# Altium PCB 6_layers_Testboard.PcbDoc (part 3 of 3)
Units mil, origin at the board's own origin, x right, y up, seen from the top; angles counter-clockwise.
Board outline 5500 x 5000 mil, 6 copper layers (Top layer, Ground1, Inner Layer 1, Inner Layer 2, Ground2, Bottom Layer), stack 22.312 mil thick; 137 components, 96 nets, 1379 pads, 782 vias.
Unrouted connection lines stored in the file: 363.
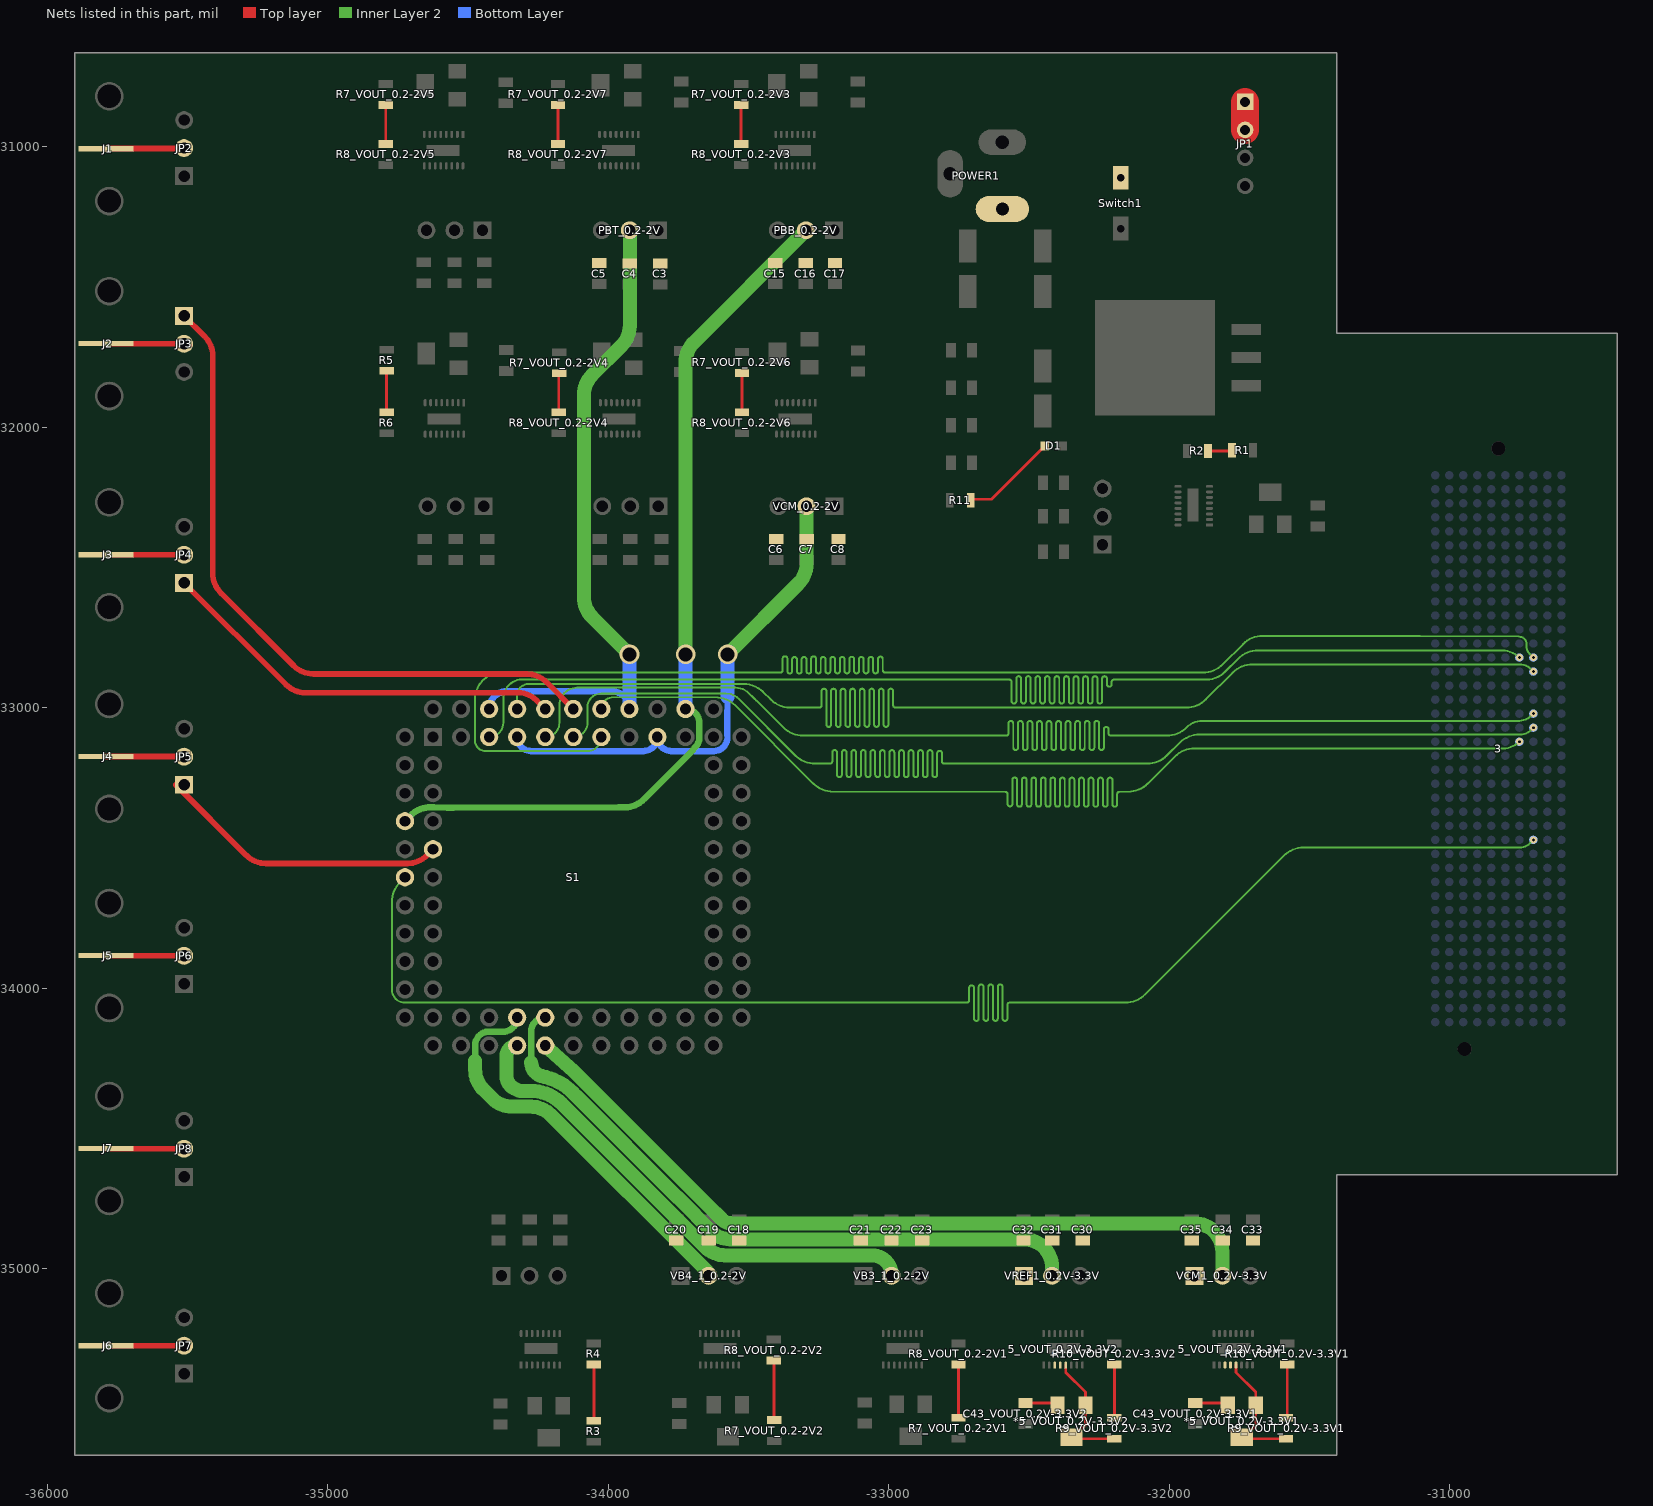
[diagram p7: the nets of this part, all layers, seen from the top]

## Via types
v1: diameter 25, hole 10, Top layer to Bottom Layer, 399 vias
v2: diameter 20, hole 10, Top layer to Bottom Layer, 314 vias
v3: diameter 16, hole 8, Top layer to Bottom Layer, 46 vias
v4: diameter 70, hole 50, Top layer to Bottom Layer, 15 vias
v5: diameter 80, hole 50, Top layer to Bottom Layer, 4 vias
v6: diameter 32, hole 16, Top layer to Bottom Layer, 2 vias
v7: diameter 25, hole 10, Top layer to Bottom Layer, tented both sides, 1 vias
v8: diameter 50, hole 35, Top layer to Bottom Layer, 1 vias

## Nets (pads, with @x,y where several pads share a name; then routed paths per layer and width w, separated by ;. In a path a pad name is that pad's centre, name@x,y a point inside that pad or via, vN(x,y) a via of type N, cw(c..) or ccw(c..) an arc to the next point about the centre after c; other vN are vias at no path point) (continued)
Net5_VOUT_0.2V-3.3V1_3: 5_VOUT_0.2V-3.3V1.3 5_VOUT_0.2V-3.3V1.4 *5_VOUT_0.2V-3.3V1.3 C43_VOUT_0.2V-3.3V1.2 VCM1_0.2V-3.3V.1 | length 118.9
  Top layer w10: C43_VOUT_0.2V-3.3V1.2@-31908,-35480 -31799,-35480 *5_VOUT_0.2V-3.3V1.3@-31792,-35487
Net5_VOUT_0.2V-3.3V1_5: 5_VOUT_0.2V-3.3V1.5 *5_VOUT_0.2V-3.3V1.1 *5_VOUT_0.2V-3.3V1.2 R9_VOUT_0.2V-3.3V1.2 | length 471.9
  Top layer w10: 5_VOUT_0.2V-3.3V1.5@-31762.31,-35344.05 -31762.23,-35344.13 -31762.23,-35370.28 -31692,-35440.5 *5_VOUT_0.2V-3.3V1.1@-31692,-35487 -31692,-35559.05 -31734.12,-35601.17 *5_VOUT_0.2V-3.3V1.2@-31742,-35601.17 -31736.34,-35606.83 R9_VOUT_0.2V-3.3V1.2@-31584,-35606.83
Net5_VOUT_0.2V-3.3V2_3: 5_VOUT_0.2V-3.3V2.3 5_VOUT_0.2V-3.3V2.4 *5_VOUT_0.2V-3.3V2.3 C43_VOUT_0.2V-3.3V2.2 VREF1_0.2V-3.3V.1 | length 116.9
  Top layer w10: C43_VOUT_0.2V-3.3V2.2@-32513,-35480 -32406,-35480 *5_VOUT_0.2V-3.3V2.3@-32399,-35487
Net5_VOUT_0.2V-3.3V2_5: 5_VOUT_0.2V-3.3V2.5 *5_VOUT_0.2V-3.3V2.1 *5_VOUT_0.2V-3.3V2.2 R9_VOUT_0.2V-3.3V2.2 | length 467
  Top layer w10: 5_VOUT_0.2V-3.3V2.5@-32369.39,-35344.05 -32369.32,-35344.13 -32369.32,-35370.19 -32299,-35440.5 *5_VOUT_0.2V-3.3V2.1@-32299,-35487 -32299,-35559.05 -32341.12,-35601.17 *5_VOUT_0.2V-3.3V2.2@-32349,-35601.17 -32343.34,-35606.84 R9_VOUT_0.2V-3.3V2.2@-32196,-35606.84
NetC1_1: 
NetD1_2: D1.2 R11.1 | length 342.8
  Top layer w10: R11.1@-32708.28,-32257 -32634.17,-32257 D1.2@-32444.17,-32067
NetJ1_1: J1.1 JP2.2 | length 279.6
  Top layer w20: J1.1@-35791.81,-31007.01 -35791.26,-31006.46 -35514.46,-31006.46 JP2.2@-35513,-31005
NetJ2_1: J2.1 JP3.2 | length 279.2
  Top layer w20: J2.1@-35791.81,-31702 -35791.31,-31702.5 -35513.5,-31702.5 JP3.2@-35513,-31703
NetJ3_1: J3.1 JP4.2 | length 278.8
  Top layer w20: J3.1@-35791.81,-32455 JP4.2@-35513,-32455
NetJ4_1: J4.1 JP5.2 | length 279.2
  Top layer w20: J4.1@-35791.81,-33174 -35791.31,-33174.5 -35513.5,-33174.5 JP5.2@-35513,-33175
NetJ5_1: J5.1 JP6.2 | length 279.2
  Top layer w20: J5.1@-35791.81,-33884 -35791.31,-33884.5 -35513.5,-33884.5 JP6.2@-35513,-33885
NetJ6_1: J6.1 JP7.2 | length 278.8
  Top layer w20: J6.1@-35791.81,-35275 JP7.2@-35513,-35275
NetJ7_1: J7.1 JP8.2 | length 279.2
  Top layer w20: J7.1@-35791.81,-34572 -35791.31,-34572.5 -35513.5,-34572.5 JP8.2@-35513,-34573
NetJP1_1: JP1.1 JP1.2 POWER1.1 Switch1.1 | length 100
  Top layer w100: JP1.2@-31730,-30940 JP1.1@-31730,-30840
NetR1_1: R1.1 R2.2 | length 87.7
  Top layer w10: R2.2@-31862.46,-32084.87 -31779.46,-32084.87 ccw(c-31779.46,-32081.87) R1.1@-31776.46,-32081.87
NetR3_1: R3.1 R4.2 | length 200.9
  Top layer w10: R3.1@-34052,-35543.1 R4.2@-34052,-35342.18
NetR5_1: R5.1 R6.2 | length 134.4
  Top layer w10: R6.2@-34791,-31947.24 -34791,-31812.8
NetR7_VOUT_0.2-2V1_1: R7_VOUT_0.2-2V1.1 R8_VOUT_0.2-2V1.2 | length 190
  Top layer w10: R7_VOUT_0.2-2V1.1@-32752,-35532.03 R8_VOUT_0.2-2V1.2@-32752,-35342
NetR7_VOUT_0.2-2V2_1: R7_VOUT_0.2-2V2.1 R8_VOUT_0.2-2V2.2 | length 215.5
  Top layer w10: R8_VOUT_0.2-2V2.2@-33410,-35328 -33410,-35532.2 R7_VOUT_0.2-2V2.1@-33402,-35540.2
NetR7_VOUT_0.2-2V3_1: R7_VOUT_0.2-2V3.1 R8_VOUT_0.2-2V3.2 | length 139.3
  Top layer w10: R8_VOUT_0.2-2V3.2@-33527,-30990.38 R7_VOUT_0.2-2V3.1@-33527,-30851.04
NetR7_VOUT_0.2-2V4_1: R7_VOUT_0.2-2V4.1 R8_VOUT_0.2-2V4.2 | length 134.4
  Top layer w10: R8_VOUT_0.2-2V4.2@-34177,-31947.24 R7_VOUT_0.2-2V4.1@-34177,-31812.8
NetR7_VOUT_0.2-2V5_1: R7_VOUT_0.2-2V5.1 R8_VOUT_0.2-2V5.2 | length 139.3
  Top layer w10: R8_VOUT_0.2-2V5.2@-34794,-30990.38 R7_VOUT_0.2-2V5.1@-34794,-30851.04
NetR7_VOUT_0.2-2V6_1: R7_VOUT_0.2-2V6.1 R8_VOUT_0.2-2V6.2 | length 134.4
  Top layer w10: R8_VOUT_0.2-2V6.2@-33524,-31947.24 R7_VOUT_0.2-2V6.1@-33524,-31812.8
NetR7_VOUT_0.2-2V7_1: R7_VOUT_0.2-2V7.1 R8_VOUT_0.2-2V7.2 | length 139.3
  Top layer w10: R8_VOUT_0.2-2V7.2@-34180,-30990.38 R7_VOUT_0.2-2V7.1@-34180,-30851.04
NetR9_VOUT_0.2V-3.3V1_1: R9_VOUT_0.2V-3.3V1.1 R10_VOUT_0.2V-3.3V1.2 | length 192.3
  Top layer w10: R9_VOUT_0.2V-3.3V1.1@-31584,-35532.03 ccw(c-31584,-35528.03) -31580,-35528.03 R10_VOUT_0.2V-3.3V1.2@-31580,-35342
NetR9_VOUT_0.2V-3.3V2_1: R9_VOUT_0.2V-3.3V2.1 R10_VOUT_0.2V-3.3V2.2 | length 190
  Top layer w10: R9_VOUT_0.2V-3.3V2.1@-32196,-35532.03 R10_VOUT_0.2V-3.3V2.2@-32196,-35342
PBB0.2-2V: C15.2 C16.1 C17.2 PBB_0.2-2V.2 S1.35 S1.60 | length 3185.7
  Inner Layer 2 w23: S1.60@-34725.44,-33405 -34704.77,-33384.33 cw(c-34634.06,-33455.05) -34661.15,-33358.78 cw(c-34634.06,-33455.05) -34634.06,-33355.05 -34627.95,-33355.05 ccw(c-34628.02,-33332.05) -34627.26,-33355.03 cw(c-34625.44,-33405) -34623.37,-33355.04 ; S1.35@-33725.44,-33005 cw(c-33725.44,-33054.96) -33675.48,-33054.96 -33675.48,-33087.36 cw(c-33775.48,-33087.36) -33675.8,-33095.35 ccw(c-33652.87,-33097.11) -33675.74,-33099.53 cw(c-33725.44,-33105) -33675.47,-33103.25 cw(c-33725.44,-33105) -33679.2,-33124.04 cw(c-33725.44,-33105) -33690.16,-33140.43 ccw(c-33673.87,-33156.67) -33692.83,-33143.65 cw(c-33775.48,-33087.36) -33704.77,-33158.07 -33873.48,-33326.78 cw(c-33944.19,-33256.07) -33921.33,-33353.42 cw(c-33944.19,-33256.07) -33941.4,-33356.03 cw(c-33944.19,-33256.07) -33944.19,-33356.07 -33963,-33356.07 -34553.98,-33357.14 -34554.28,-33357.14 -34574.35,-33357.14 -34623.3,-33355.05 ; -34623.37,-33355.04 cw(c-34625.44,-33405) -34623.3,-33355.05 ; -34623.37,-33355.04 -34623.3,-33355.05
  Inner Layer 2 w50: v4(-33725,-32810) -33725,-31768.42 cw(c-33625,-31768.42) -33695.71,-31697.71 PBB_0.2-2V.2@-33296,-31298
  Bottom Layer w50: S1.35@-33725.44,-33005 v4@-33725.44,-32810.44
PBT0.2-2V: C3.2 C4.1 C5.2 PBT_0.2-2V.2 S1.39 S1.49 | length 2403.6
  Top layer w10: C3.2@-33816.94,-31415.2 cw(c-33816.94,-31417.94) C3.2@-33815,-31416
  Inner Layer 2 w50: v4(-33925,-32810) -34057.99,-32677.01 cw(c-33987.28,-32606.3) -34087.28,-32606.3 -34087.28,-31885.14 cw(c-33987.28,-31885.14) -34057.99,-31814.43 -33953.29,-31709.73 ccw(c-34024,-31639.02) -33924,-31639.02 PBT_0.2-2V.2@-33924,-31298
  Bottom Layer w23: S1.49@-34425.44,-33005 cw(c-34361.96,-33005) -34361.96,-32941.52 -34309,-32941.52 -33998.44,-32941.52 -33988.92,-32941.52 cw(c-33988.92,-33005) S1.39@-33925.44,-33005
  Bottom Layer w50: S1.39@-33925.44,-33005 v4@-33925.44,-32810
TIA_CIN0: 3.C14 S1.42 | length 5707.4
  Inner Layer 2 w7: S1.42@-34025.44,-33105 cw(c-34075.44,-33105) -34075.44,-33155 -34438.41,-33155 cw(c-34438.41,-33117.41) -34462.69,-33146.1 cw(c-34438.41,-33117.41) -34476,-33117.41 -34476,-32971 cw(c-34380,-32971) -34380,-32875 -33391,-32875 -33387.5,-32875 ccw(c-33387.5,-32866.5) -33379,-32866.5 -33379,-32825.47 cw(c-33370.5,-32825.47) -33362,-32825.47 -33362,-32869.7 ccw(c-33353.5,-32869.7) -33345,-32869.7 -33345,-32828 cw(c-33336.5,-32828) -33328,-32828 -33328,-32869.7 ccw(c-33319.5,-32869.7) -33311,-32869.7 -33311,-32828 cw(c-33302.5,-32828) -33294,-32828 -33294,-32869.7 ccw(c-33285.5,-32869.7) -33277,-32869.7 -33277,-32825.47 cw(c-33268.5,-32825.47) -33260,-32825.47 -33260,-32869.7 ccw(c-33251.5,-32869.7) -33243,-32869.7 -33243,-32828 cw(c-33234.5,-32828) -33226,-32828 -33226,-32869.7 ccw(c-33217.5,-32869.7) -33209,-32869.7 -33209,-32828 cw(c-33200.5,-32828) -33192,-32828 -33192,-32869.7 ccw(c-33183.5,-32869.7) -33175,-32869.7 -33175,-32828 cw(c-33166.5,-32828) -33158,-32828 -33158,-32869.7 ccw(c-33149.5,-32869.7) -33141,-32869.7 -33141,-32827.08 cw(c-33132.5,-32827.08) -33124,-32827.08 -33124,-32869.7 ccw(c-33115.5,-32869.7) -33107,-32869.7 -33107,-32828 cw(c-33098.5,-32828) -33090,-32828 -33090,-32869.7 ccw(c-33081.5,-32869.7) -33073,-32869.7 -33073,-32828 cw(c-33064.5,-32828) -33056,-32828 -33056,-32869.7 ccw(c-33047.5,-32869.7) -33039,-32869.7 -33039,-32826.69 cw(c-33030.5,-32826.69) -33022,-32826.69 -33022,-32866.5 ccw(c-33013.5,-32866.5) -33013.5,-32875 -32803.81,-32875 -31880.42,-32875 ccw(c-31880.42,-32775) -31809.71,-32845.71 -31737.29,-32773.29 cw(c-31666.58,-32844) -31705.77,-32752 cw(c-31666.58,-32844) -31666.58,-32744 -31107,-32744 -30753.08,-32747 cw(c-30752.95,-32754) -30752.94,-32747 cw(c-30753,-32773) -30727,-32773 -30727,-32780 ccw(c-30687.14,-32780) -30715.33,-32808.18 ; -30715.32,-32808.19 v1(-30702,-32821.51)
TIA_CIN1: 3.C15 S1.47 | length 5706.8
  Inner Layer 2 w7: S1.47@-34325.44,-33005 -34325.44,-32956.26 cw(c-34285.18,-32956.26) -34285.18,-32916 -33517.98,-32916 cw(c-33517.98,-33016) -33468.01,-32929.38 cw(c-33517.98,-33016) -33461.3,-32933.61 cw(c-33517.98,-33016) -33451.52,-32941.28 cw(c-33517.98,-33016) -33447.27,-32945.29 -33421.85,-32970.71 ccw(c-33351.14,-32900) -33353.02,-32999.98 -33252,-32999.98 -33248.5,-32999.98 ccw(c-33248.5,-32991.48) -33240,-32991.48 -33240,-32941.15 cw(c-33231.5,-32941.15) -33223,-32941.15 -33223,-33060.17 ccw(c-33214.5,-33060.17) -33206,-33060.17 -33206,-32941.15 cw(c-33197.5,-32941.15) -33189,-32941.15 -33189,-33060.17 ccw(c-33180.5,-33060.17) -33172,-33060.17 -33172,-32941.15 cw(c-33163.5,-32941.15) -33155,-32941.15 -33155,-33060.17 ccw(c-33146.5,-33060.17) -33138,-33060.17 -33138,-32941.15 cw(c-33129.5,-32941.15) -33121,-32941.15 -33121,-33060.17 ccw(c-33112.5,-33060.17) -33104,-33060.17 -33104,-32941.15 cw(c-33095.5,-32941.15) -33087,-32941.15 -33087,-33060.17 ccw(c-33078.5,-33060.17) -33070,-33060.17 -33070,-32941.15 cw(c-33061.5,-32941.15) -33053,-32941.15 -33053,-33060.17 ccw(c-33044.5,-33060.17) -33036,-33060.17 -33036,-32941.15 cw(c-33027.5,-32941.15) -33019,-32941.15 -33019,-33060.17 ccw(c-33010.5,-33060.17) -33002,-33060.17 -33002,-32941.15 cw(c-32993.5,-32941.15) -32985,-32941.15 -32985,-32991.48 ccw(c-32976.5,-32991.48) -32976.5,-32999.98 -32838,-32999.98 -31940.4,-32999.98 ccw(c-31940.4,-32899.98) -31869.69,-32970.69 -31774.29,-32875.29 cw(c-31703.58,-32946) -31703.58,-32846 -30751,-32846 cw(c-30751,-32902.71) -30710.9,-32862.61 v1(-30702,-32871.51)
TIA_CIN2: 3.D20 S1.41 | length 5707.7
  Inner Layer 2 w7: S1.41@-34025.44,-33005 cw(c-33983.44,-33005) -33983.44,-32963 -33618.42,-32963 cw(c-33618.42,-33063) -33547.71,-32992.29 -33269.29,-33270.71 ccw(c-33198.58,-33200) -33198.58,-33300 -32659.39,-33300 -32585.5,-33300 cw(c-32585.5,-33308.5) -32577,-33308.5 -32577,-33343.6 ccw(c-32568.5,-33343.6) -32560,-33343.6 -32560,-33257.97 cw(c-32551.5,-33257.97) -32543,-33257.97 -32543,-33344.99 ccw(c-32534.5,-33344.99) -32526,-33344.99 -32526,-33257.97 cw(c-32517.5,-33257.97) -32509,-33257.97 -32509,-33344.99 ccw(c-32500.5,-33344.99) -32492,-33344.99 -32492,-33257.97 cw(c-32483.5,-33257.97) -32475,-33257.97 -32475,-33344.99 ccw(c-32466.5,-33344.99) -32458,-33344.99 -32458,-33257.97 cw(c-32449.5,-33257.97) -32441,-33257.97 -32441,-33344.99 ccw(c-32432.5,-33344.99) -32424,-33344.99 -32424,-33257.97 cw(c-32415.5,-33257.97) -32407,-33257.97 -32407,-33344.99 ccw(c-32398.5,-33344.99) -32390,-33344.99 -32390,-33257.97 cw(c-32381.5,-33257.97) -32373,-33257.97 -32373,-33344.99 ccw(c-32364.5,-33344.99) -32356,-33344.99 -32356,-33257.97 cw(c-32347.5,-33257.97) -32339,-33257.97 -32339,-33344.99 ccw(c-32330.5,-33344.99) -32322,-33344.99 -32322,-33257.97 cw(c-32313.5,-33257.97) -32305,-33257.97 -32305,-33344.99 ccw(c-32296.5,-33344.99) -32288,-33344.99 -32288,-33257.97 cw(c-32279.5,-33257.97) -32271,-33257.97 -32271,-33344.99 ccw(c-32262.5,-33344.99) -32254,-33344.99 -32254,-33257.97 cw(c-32245.5,-33257.97) -32237,-33257.97 -32237,-33344.99 ccw(c-32228.5,-33344.99) -32220,-33344.99 -32220,-33257.97 cw(c-32211.5,-33257.97) -32203,-33257.97 -32203,-33344.99 ccw(c-32194.5,-33344.99) -32186,-33344.99 -32186,-33308.5 cw(c-32177.5,-33308.5) -32177.5,-33300 -32174,-33300 -32147.42,-33300 ccw(c-32147.42,-33200) -32076.71,-33270.71 -31980.79,-33174.79 cw(c-31910.08,-33245.5) -31910.08,-33145.5 -30809.91,-33145.5 ccw(c-30809.91,-33063.6) v1(-30752,-33121.51)
TIA_CIN3: 3.C18 S1.46 | length 5707.4
  Inner Layer 2 w7: S1.46@-34225.44,-33105 ccw(c-34225.44,-33054.56) -34175,-33054.56 -34175,-32992 cw(c-34112,-32992) -34112,-32929 -33547,-32929 cw(c-33547,-32996.6) -33499.22,-32948.78 -33482.29,-32965.71 ccw(c-33411.58,-32895) -33473.11,-32973.83 -33376.23,-33070.71 ccw(c-33305.52,-33000) -33305.52,-33100 -32585.7,-33100 -32582.2,-33100 ccw(c-32582.2,-33091.5) -32573.7,-33091.5 -32573.7,-33056.14 cw(c-32565.2,-33056.14) -32556.7,-33056.14 -32556.7,-33142.61 ccw(c-32548.2,-33142.61) -32539.7,-33142.61 -32539.7,-33056.14 cw(c-32531.2,-33056.14) -32522.7,-33056.14 -32522.7,-33142.61 ccw(c-32514.2,-33142.61) -32505.7,-33142.61 -32505.7,-33056.14 cw(c-32497.2,-33056.14) -32488.7,-33056.14 -32488.7,-33142.61 ccw(c-32480.2,-33142.61) -32471.7,-33142.61 -32471.7,-33056.14 cw(c-32463.2,-33056.14) -32454.7,-33056.14 -32454.7,-33142.61 ccw(c-32446.2,-33142.61) -32437.7,-33142.61 -32437.7,-33056.14 cw(c-32429.2,-33056.14) -32420.7,-33056.14 -32420.7,-33142.61 ccw(c-32412.2,-33142.61) -32403.7,-33142.61 -32403.7,-33056.14 cw(c-32395.2,-33056.14) -32386.7,-33056.14 -32386.7,-33142.61 ccw(c-32378.2,-33142.61) -32369.7,-33142.61 -32369.7,-33056.14 cw(c-32361.2,-33056.14) -32352.7,-33056.14 -32352.7,-33142.61 ccw(c-32344.2,-33142.61) -32335.7,-33142.61 -32335.7,-33056.14 cw(c-32327.2,-33056.14) -32318.7,-33056.14 -32318.7,-33142.61 ccw(c-32310.2,-33142.61) -32301.7,-33142.61 -32301.7,-33056.14 cw(c-32293.2,-33056.14) -32284.7,-33056.14 -32284.7,-33142.61 ccw(c-32276.2,-33142.61) -32267.7,-33142.61 -32267.7,-33056.14 cw(c-32259.2,-33056.14) -32250.7,-33056.14 -32250.7,-33142.61 ccw(c-32242.2,-33142.61) -32233.7,-33142.61 -32233.7,-33077.46 cw(c-32225.2,-33077.46) -32216.7,-33077.46 -32216.7,-33091.5 ccw(c-32208.2,-33091.5) -32208.2,-33100 -32027.16,-33100 -32009.42,-33100 ccw(c-32009.42,-33000) -31938.71,-33070.71 cw(c-31881.47,-33127.95) -31881.47,-33047 -30752,-33047 ccw(c-30752,-32987.82) -30710.16,-33029.67 v1(-30702,-33021.51)
TIA_CIN4: 3.D14 S1.50 | length 5707.4
  Inner Layer 2 w7: S1.50@-34425.44,-33105 ccw(c-34425.44,-33054.56) -34375,-33054.56 -34375,-32967 cw(c-34308,-32967) -34308,-32900 -32591.66,-32900 -32571.16,-32900 cw(c-32571.16,-32908.5) -32562.66,-32908.5 -32562.66,-32976.85 ccw(c-32554.16,-32976.85) -32545.66,-32976.85 -32545.66,-32896.5 cw(c-32537.16,-32896.5) -32528.66,-32896.5 -32528.66,-32976.85 ccw(c-32520.16,-32976.85) -32511.66,-32976.85 -32511.66,-32896.5 cw(c-32503.16,-32896.5) -32494.66,-32896.5 -32494.66,-32976.85 ccw(c-32486.16,-32976.85) -32477.66,-32976.85 -32477.66,-32896.5 cw(c-32469.16,-32896.5) -32460.66,-32896.5 -32460.66,-32976.85 ccw(c-32452.16,-32976.85) -32443.66,-32976.85 -32443.66,-32896.5 cw(c-32435.16,-32896.5) -32426.66,-32896.5 -32426.66,-32976.85 ccw(c-32418.16,-32976.85) -32409.66,-32976.85 -32409.66,-32896.5 cw(c-32401.16,-32896.5) -32392.66,-32896.5 -32392.66,-32976.85 ccw(c-32384.16,-32976.85) -32375.66,-32976.85 -32375.66,-32896.5 cw(c-32367.16,-32896.5) -32358.66,-32896.5 -32358.66,-32976.85 ccw(c-32350.16,-32976.85) -32341.66,-32976.85 -32341.66,-32896.5 cw(c-32333.16,-32896.5) -32324.66,-32896.5 -32324.66,-32976.85 ccw(c-32316.16,-32976.85) -32307.66,-32976.85 -32307.66,-32896.5 cw(c-32299.16,-32896.5) -32290.66,-32896.5 -32290.66,-32976.85 ccw(c-32282.16,-32976.85) -32273.66,-32976.85 -32273.66,-32896.5 cw(c-32265.16,-32896.5) -32256.66,-32896.5 -32256.66,-32976.85 ccw(c-32248.16,-32976.85) -32239.66,-32976.85 -32239.66,-32896.5 cw(c-32231.16,-32896.5) -32222.66,-32896.5 -32222.66,-32917.15 ccw(c-32214.16,-32917.15) -32205.66,-32917.15 -32205.66,-32908.5 cw(c-32197.16,-32908.5) -32197.16,-32900 -32118.82,-32900 -31867.18,-32900 ccw(c-31867.18,-32807.82) -31802,-32873 -31754.29,-32825.29 cw(c-31683.58,-32896) -31683.58,-32796 -30813.59,-32796 cw(c-30813.59,-32883.1) v1(-30752,-32821.51)
TIA_CIN5: 3.C19 S1.44 | length 5737.3
  Inner Layer 2 w7: S1.44@-34104.29,-33083.85 S1.44@-34125.44,-33105 ccw(c-34125.44,-33054.56) -34075,-33054.56 -34075,-32998.62 cw(c-34026.38,-32998.62) -34026.38,-32950 -33580,-32950 cw(c-33580,-33012.77) -33535.64,-32968.36 ; -33535.62,-32968.38 -33333.29,-33170.71 ccw(c-33262.58,-33100) -33262.58,-33200 -33213.83,-33200 -33210.33,-33200 ccw(c-33210.33,-33191.5) -33201.83,-33191.5 -33201.83,-33160.11 cw(c-33193.33,-33160.11) -33184.83,-33160.11 -33184.83,-33239.29 ccw(c-33176.33,-33239.29) -33167.83,-33239.29 -33167.83,-33160.11 cw(c-33159.33,-33160.11) -33150.83,-33160.11 -33150.83,-33239.29 ccw(c-33142.33,-33239.29) -33133.83,-33239.29 -33133.83,-33160.11 cw(c-33125.33,-33160.11) -33116.83,-33160.11 -33116.83,-33239.29 ccw(c-33108.33,-33239.29) -33099.83,-33239.29 -33099.83,-33160.11 cw(c-33091.33,-33160.11) -33082.83,-33160.11 -33082.83,-33239.29 ccw(c-33074.33,-33239.29) -33065.83,-33239.29 -33065.83,-33160.11 cw(c-33057.33,-33160.11) -33048.83,-33160.11 -33048.83,-33239.29 ccw(c-33040.33,-33239.29) -33031.83,-33239.29 -33031.83,-33160.11 cw(c-33023.33,-33160.11) -33014.83,-33160.11 -33014.83,-33239.29 ccw(c-33006.33,-33239.29) -32997.83,-33239.29 -32997.83,-33160.11 cw(c-32989.33,-33160.11) -32980.83,-33160.11 -32980.83,-33239.29 ccw(c-32972.33,-33239.29) -32963.83,-33239.29 -32963.83,-33160.11 cw(c-32955.33,-33160.11) -32946.83,-33160.11 -32946.83,-33239.29 ccw(c-32938.33,-33239.29) -32929.83,-33239.29 -32929.83,-33160.11 cw(c-32921.33,-33160.11) -32912.83,-33160.11 -32912.83,-33239.29 ccw(c-32904.33,-33239.29) -32895.83,-33239.29 -32895.83,-33160.11 cw(c-32887.33,-33160.11) -32878.83,-33160.11 -32878.83,-33239.29 ccw(c-32870.33,-33239.29) -32861.83,-33239.29 -32861.83,-33160.11 cw(c-32853.33,-33160.11) -32844.83,-33160.11 -32844.83,-33239.29 ccw(c-32836.33,-33239.29) -32827.83,-33239.29 -32827.83,-33162.61 cw(c-32819.33,-33162.61) -32810.83,-33162.61 -32810.83,-33191.5 ccw(c-32802.33,-33191.5) -32802.33,-33200 -32709.58,-33200 -32079.42,-33200 ccw(c-32079.42,-33100) -32008.71,-33170.71 -31963.29,-33125.29 cw(c-31892.58,-33196) -31892.58,-33096 -30750,-33096 ccw(c-30750,-33039.24) -30709.86,-33079.37 v1(-30702,-33071.51)
TIA_CIN6: 3.C27 S1.64 | length 5706.8
  Inner Layer 2 w7: S1.64@-34725.44,-33605 -34742.71,-33622.27 ccw(c-34672,-33692.98) -34772,-33692.98 -34772,-34006 ccw(c-34726,-34006) -34726,-34052 -32751,-34052 -32722.32,-34052 ccw(c-32722.32,-34043.5) -32713.82,-34043.5 -32713.82,-33998.92 cw(c-32705.32,-33998.92) -32696.82,-33998.92 -32696.82,-34108.41 ccw(c-32688.32,-34108.41) -32679.82,-34108.41 -32679.82,-33995.79 cw(c-32671.32,-33995.79) -32662.82,-33995.79 -32662.82,-34108.41 ccw(c-32654.32,-34108.41) -32645.82,-34108.41 -32645.82,-33995.79 cw(c-32637.32,-33995.79) -32628.82,-33995.79 -32628.82,-34108.41 ccw(c-32620.32,-34108.41) -32611.82,-34108.41 -32611.82,-33995.79 cw(c-32603.32,-33995.79) -32594.82,-33995.79 -32594.82,-34108.41 ccw(c-32586.32,-34108.41) -32577.82,-34108.41 -32577.82,-34060.5 cw(c-32569.32,-34060.5) -32569.32,-34052 -32565.82,-34052 -32157.42,-34052 ccw(c-32157.42,-33952) -32086.71,-34022.71 -31592.29,-33528.29 cw(c-31521.58,-33599) -31521.58,-33499 -30752,-33499 ccw(c-30752,-33444.65) -30713.57,-33483.08 v1(-30702,-33471.51)
TIA_VIN: JP3.1 S1.43 | length 2460.2
  Top layer w20: JP3.1@-35523,-31605 JP3.1@-35518,-31610 ; JP3.1@-35513,-31603 -35440.29,-31675.71 cw(c-35511,-31746.42) -35411,-31746.42 -35411,-32520.58 ccw(c-35311,-32520.58) -35381.71,-32591.29 -35122.29,-32850.71 ccw(c-35051.58,-32780) -35051.58,-32880 -34291.86,-32880 cw(c-34291.86,-32980) -34221.15,-32909.29 S1.43@-34125.44,-33005
TIA_VIP: JP4.1 S1.45 | length 1465.6
  Top layer w20: JP4.1@-35513,-32555 -35150.29,-32917.71 ccw(c-35079.58,-32847) -35079.58,-32947 -34322,-32947 cw(c-34322,-33040.1) -34256.17,-32974.27 S1.45@-34225.44,-33005
TIA_VOUT: JP5.1 S1.63 | length 1054.9
  Top layer w20: JP5.1@-35543,-33275 -35291.29,-33526.71 ccw(c-35220.58,-33456) -35220.58,-33556 -34717.86,-33556 ccw(c-34717.86,-33456) -34647.15,-33526.71 S1.63@-34625.44,-33505 cw(c-34636.15,-33505) S1.63@-34628.57,-33512.57
VB3_1: C21.2 C22.1 C23.2 S1.81 VB3_1_0.2-2V.2 | length 1807.8
  Inner Layer 2 w50: S1.81@-34325.44,-34205 ccw(c-34325.44,-34243.56) -34364,-34243.56 -34364,-34312.52 ccw(c-34313.57,-34312.52) -34334.58,-34358.36 ccw(c-34306.48,-34317) -34306.58,-34367 -34276.42,-34367 cw(c-34276.42,-34523) -34166.23,-34412.57 cw(c-34276.42,-34523) -34166.07,-34412.73 -34161.9,-34416.9 -33792.4,-34786.4 -33665.9,-34912.9 -33655.09,-34923.71 ccw(c-33584.38,-34853) -33584.38,-34953 -33060,-34953 cw(c-33060,-35022.61) -32990.39,-35022.61 VB3_1_0.2-2V.2@-32990.39,-35026
VB4_1: C18.2 C19.1 C20.2 S1.82 VB4_1_0.2-2V.2 | length 1455.9
  Inner Layer 2 w23: -34475.37,-34260.44 -34475.37,-34208.09 ccw(c-34498.37,-34208.16) -34475.39,-34207.22 cw(c-34425.44,-34205) -34475.15,-34199.64 ccw(c-34498.02,-34197.19) -34475.14,-34199.59 ccw(c-34498.02,-34197.19) -34475.14,-34199.5 cw(c-34426.06,-34204.3) -34472.98,-34189.13 cw(c-34426.06,-34204.3) -34472.77,-34188.52 cw(c-34426.06,-34204.3) -34439.23,-34156.79 cw(c-34426.06,-34204.3) -34437.6,-34156.36 ccw(c-34440.24,-34133.52) -34435.63,-34156.05 cw(c-34425.44,-34205) -34426.06,-34155 cw(c-34425.44,-34205) -34425.44,-34155 cw(c-34425.44,-34205) -34416.35,-34155.83 -34376.27,-34155.83 ccw(c-34376.27,-34105) S1.82@-34325.44,-34105
  Inner Layer 2 w50: -34475.37,-34260.44 -34475.37,-34291.05 ccw(c-34375.37,-34291.05) -34446.08,-34361.76 -34414.13,-34393.71 ccw(c-34343.42,-34323) -34343.42,-34423 -34276.42,-34423 cw(c-34276.42,-34523) -34205.71,-34452.29 -33650.78,-35007.22 cw(c-33669.56,-35026) VB4_1_0.2-2V.2@-33643,-35026 VB4_1_0.2-2V.2@-33643,-35017.42
VCM0.2-2V: C6.2 C7.2 C8.2 S1.38 S1.48 VCM_0.2-2V.2 | length 1808.7
  Inner Layer 2 w50: v4(-33575,-32810) -33323.29,-32558.29 ccw(c-33394,-32487.58) -33302.97,-32528.97 ccw(c-33394,-32487.58) -33294,-32487.58 VCM_0.2-2V.2@-33294,-32282
  Bottom Layer w23: S1.48@-34325.44,-33105 ccw(c-34275.44,-33105) -34275.44,-33155 -34226,-33155 -33951,-33155 -33875.44,-33155 ccw(c-33875.44,-33105) S1.38@-33825.44,-33105 ccw(c-33775.44,-33105) -33775.44,-33155 -33624,-33155 ccw(c-33624,-33107) -33578.33,-33121.78 cw(c-33556.47,-33128.94) -33578.22,-33121.45 ccw(c-33625.44,-33105) -33575.83,-33098.75 cw(c-33553,-33095.96) -33576,-33096.03 -33576,-33013.97 cw(c-33553,-33014.04) -33575.83,-33011.25 ccw(c-33625.44,-33005) -33575.48,-33002.89 -33575.48,-32962.1
  Bottom Layer w50: -33575.48,-32962.1 v4@-33575.48,-32801
VCM1_0.2V-3.3V: C33.2 C34.1 C35.2 S1.83 VCM1_0.2V-3.3V.2 | length 2816.2
  Inner Layer 2 w50: S1.83@-34225.44,-34205 -34123.21,-34297.21 -34105.71,-34314.71 -33713.27,-34707.14 cw(c-33752.86,-34746.75) -33713.13,-34707.28 -33647.21,-34773.21 -33596.07,-34824.34 ccw(c-33560.7,-34789) -33560.7,-34839 -31911.02,-34839 cw(c-31911.02,-34939) -31811.02,-34939 VCM1_0.2V-3.3V.2@-31811.02,-35026
VREF1_0.2V-3.3V: C30.2 C31.1 C32.2 S1.84 VREF1_0.2V-3.3V.2 | length 2410.5
  Inner Layer 2 w23: -34275.44,-34265.69 -34275.44,-34155 cw(c-34225.44,-34155) S1.84@-34225.44,-34105 S1.84@-34238.97,-34118.54
  Inner Layer 2 w50: -34275.44,-34265.69 ccw(c-34225.44,-34265.69) -34251.43,-34308.4 ccw(c-34225.44,-34265.69) -34240.21,-34313.46 ccw(c-34225.44,-34265.69) -34236.78,-34314.39 -34227.65,-34316.51 cw(c-34238.99,-34365.21) -34222.92,-34317.86 cw(c-34276.42,-34523) -34126.72,-34372.89 cw(c-34276.42,-34523) -34126.37,-34373.24 -34122.3,-34377.3 cw(c-34161.9,-34416.9) -34122.26,-34377.35 -34113.8,-34385.8 -33753.3,-34746.3 -33752.86,-34746.75 ccw(c-33717.34,-34711.56) -33752.8,-34746.81 -33624.9,-34874.71 ccw(c-33589.62,-34839.28) -33614.76,-34882.5 ccw(c-33564.58,-34796) -33564.58,-34896 -32518.1,-34896 cw(c-32518.1,-34996) -32418.1,-34996 VREF1_0.2V-3.3V.2@-32418.1,-35026
pads on no net: 1.1 1.2 1.8 1.15 1.16 2.1 2.2 2.8 2.15 2.16 3. 3.1 3.2 3.8 3.15 3.16 3.A2 3.A3 3.A6 3.A7 3.A10 3.A11 3.A14 3.A15 3.A18 3.A19 3.A22 3.A23 3.A26 3.A27 3.A30 3.A31 3.A34 3.A35 3.A38 3.A39 3.B1 3.B4 3.B5 3.B8 3.B9 3.B12 3.B13 3.B16 3.B17 3.B20 3.B21 3.B24 3.B25 3.B28 3.B29 3.B32 3.B33 3.B36 3.B37 3.B40 3.C2 3.C3 3.C6 3.C7 3.C10 3.C11 3.C30 3.C31 3.C34 3.C35 3.C37 3.C39 3.D1 3.D4 3.D5 3.D8 3.D9 3.D11 3.D12 3.D15 3.D17 3.D18 3.D23 3.D26 3.D27 3.D29 3.D30 3.D31 3.D32 3.D33 3.D34 3.D35 3.D36 3.D38 3.D40 3.E2 3.E3 3.E6 3.E7 3.E9 3.E10 3.E12 3.E13 3.E15 3.E16 3.E18 3.E19 3.E21 3.E22 3.E24 3.E25 3.E27 3.E28 3.E30 3.E31 3.E33 3.E34 3.E36 3.E37 3.E39 3.F1 3.F4 3.F5 3.F7 3.F8 3.F10 3.F11 3.F13 3.F14 3.F16 3.F17 3.F19 3.F20 3.F22 3.F23 3.F25 3.F26 3.F28 3.F29 3.F31 3.F32 3.F34 3.F35 3.F37 3.F38 3.F40 3.G2 3.G3 3.G6 3.G7 3.G9 3.G10 3.G12 3.G13 3.G15 3.G16 3.G18 3.G19 3.G21 3.G22 3.G39 3.H1 3.H2 3.H4 3.H5 3.H7 3.H8 3.H10 3.H11 3.H13 3.H14 3.H16 3.H17 3.H19 3.H20 3.H22 3.H25 3.H28 3.H31 3.H34 3.H37 3.H40 3.J2 3.J3 3.J6 3.J7 3.J9 3.J10 3.J12 3.J13 3.J15 3.J16 3.J18 3.J19 3.J21 3.J22 3.J24 3.J25 3.J27 3.J28 3.J30 3.J31 3.J33 3.J34 3.J36 3.J37 3.J39 3.K1 3.K4 3.K5 3.K7 3.K8 3.K10 3.K11 3.K13 3.K14 3.K16 3.K17 3.K19 3.K20 3.K22 3.K23 3.K25 3.K26 3.K28 3.K29 3.K31 3.K32 3.K34 3.K35 3.K37 3.K38 3.K40 4_VOUT_0.2-2V1.1 4_VOUT_0.2-2V1.2 4_VOUT_0.2-2V1.8 4_VOUT_0.2-2V1.15 4_VOUT_0.2-2V1.16 4_VOUT_0.2-2V2.1 4_VOUT_0.2-2V2.2 4_VOUT_0.2-2V2.8 4_VOUT_0.2-2V2.15 4_VOUT_0.2-2V2.16 4_VOUT_0.2-2V3.1 4_VOUT_0.2-2V3.2 4_VOUT_0.2-2V3.8 4_VOUT_0.2-2V3.15 4_VOUT_0.2-2V3.16 4_VOUT_0.2-2V4.1 4_VOUT_0.2-2V4.2 4_VOUT_0.2-2V4.8 4_VOUT_0.2-2V4.15 4_VOUT_0.2-2V4.16 4_VOUT_0.2-2V5.1 4_VOUT_0.2-2V5.2 4_VOUT_0.2-2V5.8 4_VOUT_0.2-2V5.15 4_VOUT_0.2-2V5.16 4_VOUT_0.2-2V6.1 4_VOUT_0.2-2V6.2 4_VOUT_0.2-2V6.8 4_VOUT_0.2-2V6.15 4_VOUT_0.2-2V6.16 4_VOUT_0.2-2V7.1 4_VOUT_0.2-2V7.2 4_VOUT_0.2-2V7.8 4_VOUT_0.2-2V7.15 4_VOUT_0.2-2V7.16 5_VOUT_0.2V-3.3V1.1 5_VOUT_0.2V-3.3V1.2 5_VOUT_0.2V-3.3V1.8 5_VOUT_0.2V-3.3V1.15 5_VOUT_0.2V-3.3V1.16 5_VOUT_0.2V-3.3V2.1 5_VOUT_0.2V-3.3V2.2 5_VOUT_0.2V-3.3V2.8 5_VOUT_0.2V-3.3V2.15 5_VOUT_0.2V-3.3V2.16 S1.3 S1.4 S1.5 S1.6 S1.7 S1.8 S1.9 S1.10 S1.11 S1.12 S1.13 S1.14 S1.25 S1.31 S1.33 S1.34 S1.51 S1.52 S1.53 S1.54 S1.55 S1.72 S1.73 S1.74 S1.75
copper on no net:
  other v1: -31052,-34121.51 -30952,-34121.51 -30852,-34121.51 -30752,-34121.51 -30652,-34121.51 -31002,-34071.51 -30902,-34071.51 -30802,-34071.51 -30702,-34071.51 -30602,-34071.51 -31052,-34021.51 -30852,-34021.51 -30752,-34021.51 -30602,-34021.51 -31052,-33971.51 -31002,-33971.51 -30952,-33971.51 -30852,-33971.51 -30802,-33971.51 -30702,-33971.51 -30652,-33971.51 -31002,-33921.51 -30802,-33921.51 -30752,-33921.51 -30652,-33921.51 -30852,-33871.51 -30752,-33871.51 -30702,-33871.51 -30602,-33871.51 -31052,-33821.51 -31002,-33821.51 -30952,-33821.51 -30852,-33821.51 -30802,-33821.51 -30752,-33821.51 -30702,-33821.51 -30602,-33821.51 -31002,-33771.51 -30802,-33771.51 -30752,-33771.51 -30652,-33771.51 -31052,-33721.51 -30852,-33721.51 -30752,-33721.51 -30652,-33721.51 -31052,-33671.51 -31002,-33671.51 -30952,-33671.51 -30852,-33671.51 -30802,-33671.51 -30752,-33671.51 -30702,-33671.51 -30602,-33671.51 -31002,-33621.51 -30802,-33621.51 -30752,-33621.51 -30702,-33621.51 -30602,-33621.51 -31052,-33571.51 -30852,-33571.51 -30752,-33571.51 -30652,-33571.51 -31052,-33521.51 -31002,-33521.51 -30952,-33521.51 -30852,-33521.51 -30802,-33521.51 -30652,-33521.51 -31002,-33471.51 -30802,-33471.51 -30752,-33471.51 -30602,-33471.51 -31052,-33421.51 -30852,-33421.51 -30752,-33421.51 -30602,-33421.51 -31052,-33371.51 -31002,-33371.51 -30952,-33371.51 -30852,-33371.51 -30802,-33371.51 -30652,-33371.51 -31002,-33321.51 -30802,-33321.51 -30652,-33321.51 -31052,-33271.51 -30852,-33271.51 -30752,-33271.51 -30602,-33271.51 -31052,-33221.51 -31002,-33221.51 -30952,-33221.51 -30902,-33221.51 -30852,-33221.51 -30802,-33221.51 -30602,-33221.51 -31002,-33171.51 -30902,-33171.51 -30802,-33171.51 -30652,-33171.51 -31052,-33121.51 -30952,-33121.51 -30852,-33121.51 -30652,-33121.51 -31052,-33071.51 -31002,-33071.51 -30952,-33071.51 -30902,-33071.51 -30852,-33071.51 -30802,-33071.51 -30602,-33071.51 -31002,-33021.51 -30902,-33021.51 -30802,-33021.51 -30752,-33021.51 -30602,-33021.51 -31052,-32971.51 -30952,-32971.51 -30852,-32971.51 -30752,-32971.51 -30652,-32971.51 -31052,-32921.51 -31002,-32921.51 -30952,-32921.51 -30902,-32921.51 -30852,-32921.51 -30802,-32921.51 -30652,-32921.51 -31002,-32871.51 -30902,-32871.51 -30802,-32871.51 -30752,-32871.51 -30602,-32871.51 -31052,-32821.51 -30952,-32821.51 -30852,-32821.51 -30602,-32821.51 -31052,-32771.51 -31002,-32771.51 -30952,-32771.51 -30902,-32771.51 -30852,-32771.51 -30802,-32771.51 -30652,-32771.51 -31002,-32721.51 -30902,-32721.51 -30802,-32721.51 -30752,-32721.51 -30652,-32721.51 -31052,-32671.51 -30952,-32671.51 -30852,-32671.51 -30752,-32671.51 -30702,-32671.51 -30602,-32671.51 -31052,-32621.51 -31002,-32621.51 -30952,-32621.51 -30902,-32621.51 -30852,-32621.51 -30802,-32621.51 -30702,-32621.51 -30602,-32621.51 -31002,-32571.51 -30902,-32571.51 -30802,-32571.51 -30752,-32571.51 -30652,-32571.51 -31052,-32521.51 -30952,-32521.51 -30852,-32521.51 -30752,-32521.51 -30652,-32521.51 -31052,-32471.51 -31002,-32471.51 -30952,-32471.51 -30902,-32471.51 -30852,-32471.51 -30802,-32471.51 -30702,-32471.51 -30602,-32471.51 -31002,-32421.51 -30902,-32421.51 -30802,-32421.51 -30702,-32421.51 -30602,-32421.51 -31052,-32371.51 -30952,-32371.51 -30852,-32371.51 -30752,-32371.51 -30652,-32371.51 -31052,-32321.51 -30952,-32321.51 -30852,-32321.51 -30752,-32321.51 -30652,-32321.51 -31002,-32271.51 -30902,-32271.51 -30802,-32271.51 -30702,-32271.51 -30602,-32271.51 -31002,-32221.51 -30952,-32221.51 -30902,-32221.51 -30802,-32221.51 -30702,-32221.51 -30602,-32221.51 -31052,-32171.51 -30952,-32171.51 -30852,-32171.51 -30752,-32171.51 -30652,-32171.51
  other v7: -31052,-33871.51

## Polygon pours and split planes (outlines as drawn)
GND on Ground2 "GND_L05_P001" (solid, remove dead copper, pour order 1): -35903,-30665 -35903,-35665 -31403,-35665 -31403,-34665 -30403,-34665 -30403,-31665 -31403,-31665 -31403,-30665
12-5V_regulator on Ground1 "12-5V_REGULATOR_L02_P002" (solid, remove dead copper, pour order 2): -35903,-30665 -35903,-35665 -31403,-35665 -31403,-34665 -30403,-34665 -30403,-31665 -31403,-31665 -31403,-30665
GND on Top layer "GND_L01_P000" (solid, remove dead copper, pour order 0): -31231.69,-32249.5 -31231.69,-32345.5 -31327.69,-32345.5 -31327.69,-32441.5 -31420.69,-32438.5 -31420.69,-32534.5 -31516.69,-32534.5 -31516.69,-32630.5 -31612.69,-32630.5 -31612.69,-32726.5 -31708.69,-32726.5 -31710.69,-32824.5 -31813.69,-32824.5 -31874.69,-32824.5 -33398.99,-32822 -33398.99,-34405.56 -30402.69,-34406.44 -30402.69,-34664.5 -31402.69,-34664.5 -31402.69,-35664.5 -35902.69,-35664.5 -35902.69,-30664.5 -31402.69,-30664.5 -31402.69,-31664.5 -30402.69,-31664.5 -30403,-34406.87 -31118.69,-34406.55 -31118.69,-32249.5

## Other copper
Top layer:
  region net 12V: -31682,-31343 -31682,-31243 -32209,-31243 -32209,-31343
  region net 12V: -31676,-31243 -31776,-31243 -31776,-31669 -31676,-31669
  rectangle net 12-5V_regulator: -31807,-35245 -31756,-35102
  rectangle net 12-5V_regulator: -34600,-32133 -34550,-32012
  region net Net4_VOUT_0.2-2V5_3: -34583,-30890 -34583,-30970 -34553,-30970 -34553,-30890
  region net Net4_VOUT_0.2-2V5_3: -34443,-30890 -34583,-30890 -34583,-30920 -34443,-30920
  region net Net4_VOUT_0.2-2V5_3: -34443,-30890 -34583,-30890 -34583,-30920 -34443,-30920
  region net Net4_VOUT_0.2-2V5_3: -34443,-30720 -34543,-30720 -34543,-30750 -34443,-30750
  rectangle net 12-5V_regulator: -34603,-31178 -34553,-31055
  rectangle net 12-5V_regulator: -33978,-31178 -33928,-31055
  region net Net4_VOUT_0.2-2V7_3: -33818,-30889 -33958,-30889 -33958,-30919 -33818,-30919
  region net Net4_VOUT_0.2-2V7_3: -33818,-30719 -33918,-30719 -33918,-30749 -33818,-30749
  region net Net4_VOUT_0.2-2V7_3: -33958,-30889 -33958,-30969 -33928,-30969 -33928,-30889
  region net Net4_VOUT_0.2-2V3_3: -33190,-30889 -33330,-30889 -33330,-30919 -33190,-30919
  region net Net4_VOUT_0.2-2V3_3: -33190,-30719 -33290,-30719 -33290,-30749 -33190,-30749
  region net Net4_VOUT_0.2-2V3_3: -33330,-30889 -33330,-30969 -33300,-30969 -33300,-30889
  rectangle net 12-5V_regulator: -33350,-31177 -33300,-31055
  region net Net4_VOUT_0.2-2V5_3: -34424,-30720 -34474,-30720 -34474,-31319 -34424,-31319
  rectangle net 12-5V_regulator: -32414,-35245 -32364,-35143
  rectangle net 12-5V_regulator: -32986,-35246 -32936,-35144
  rectangle net 12-5V_regulator: -33640,-35245 -33589,-35144
  rectangle net 12-5V_regulator: -34279,-35245 -34228,-35143
  region net Net1_3: -31788,-32398 -32259,-32398 -32259,-32440 -31788,-32440
  region net Net1_3: -31605,-32323 -31605,-32432 -31575,-32432 -31575,-32323
  region net Net1_3: -31575,-32398 -31797,-32398 -31797,-32440 -31575,-32440
  region net Net1_3: -31770,-32433 -31770,-32285 -31800,-32285 -31800,-32433
  rectangle net Net1_3: -31870,-32315 -31770,-32285
  region net 12-5V_regulator: -32036,-32315 -32036,-31925 -32136,-31925 -32136,-32315
  rectangle net 12-5V_regulator: -32103,-32315 -31956,-32265
  rectangle net 12-5V_regulator: -33347,-32137 -33297,-32012
  rectangle net 12-5V_regulator: -33975,-32134 -33925,-32012
  region net 12-5V_regulator: -31669,-31807 -31669,-31707 -32151,-31707 -32151,-31807
  region net NetJP1_1: -31683,-30885 -31683,-30785 -32239,-30785 -32239,-30885
  rectangle net NetJP1_1: -32239,-31161 -32139,-30785
  region net Net4_VOUT_0.2-2V4_3: -33796,-31676 -33846,-31676 -33846,-32304 -33796,-32304
  region net Net3_3: -34420,-31676 -34470,-31676 -34470,-32307 -34420,-32307
  region net Net4_VOUT_0.2-2V6_3: -33168,-31676 -33218,-31676 -33218,-32304 -33168,-32304
  region net Net4_VOUT_0.2-2V3_3: -33171,-30719 -33221,-30719 -33221,-31318 -33171,-31318
  region net Net4_VOUT_0.2-2V7_3: -33800,-30719 -33850,-30719 -33850,-31318 -33800,-31318
  region net Net3_3: -34440,-31676 -34540,-31676 -34540,-31706 -34440,-31706
  region net Net4_VOUT_0.2-2V4_3: -33815,-31676 -33915,-31676 -33915,-31706 -33815,-31706
  region net Net4_VOUT_0.2-2V6_3: -33187,-31676 -33287,-31676 -33287,-31706 -33187,-31706
  region net Net4_VOUT_0.2-2V6_3: -33187,-31846 -33327,-31846 -33327,-31876 -33187,-31876
  region net Net4_VOUT_0.2-2V4_3: -33815,-31846 -33955,-31846 -33955,-31876 -33815,-31876
  region net Net3_3: -34440,-31846 -34580,-31846 -34580,-31876 -34440,-31876
  region net Net3_3: -34580,-31846 -34580,-31926 -34550,-31926 -34550,-31846
  region net Net4_VOUT_0.2-2V4_3: -33955,-31846 -33955,-31926 -33925,-31926 -33925,-31846
  region net Net4_VOUT_0.2-2V6_3: -33327,-31846 -33327,-31926 -33297,-31926 -33297,-31846
  rectangle net Net4_VOUT_0.2-2V1_3: -32986,-35488 -32956,-35331
  region net Net4_VOUT_0.2-2V1_3: -32958,-35441 -32958,-35395 -33114,-35395 -33114,-35441
  rectangle net Net2_3: -34277,-35488 -34247,-35331
  region net Net5_VOUT_0.2V-3.3V1_3: -31778.51,-35445.53 -31778.51,-35399.53 -31934.51,-35399.53 -31934.51,-35445.53
  region net Net5_VOUT_0.2V-3.3V2_3: -32386,-35442 -32386,-35396 -32542,-35396 -32542,-35442
  rectangle net Net5_VOUT_0.2V-3.3V2_3: -32414,-35488 -32384,-35331
  rectangle net Net5_VOUT_0.2V-3.3V1_3: -31807,-35488 -31777,-35331
  rectangle net Net4_VOUT_0.2-2V2_3: -33639,-35488 -33609,-35331
  region net Net4_VOUT_0.2-2V2_3: -33610,-35442 -33610,-35396 -33766,-35396 -33766,-35442
  region net Net2_3: -34247,-35443 -34247,-35397 -34403,-35397 -34403,-35443
  region net 12-5V_regulator: -32168,-31830 -32168,-31730 -32565,-31730 -32565,-31830
  region net NetJP1_1: -32139,-31161 -32139,-31061 -32621,-31061 -32621,-31161
  rectangle net NetJP1_1: -32644,-31241 -32544,-31061
  rectangle net VCM1_0.2V-3.3V: -31836,-35046 -31784,-34897
  rectangle net VREF1_0.2V-3.3V: -32444,-35046 -32392,-34897
  rectangle net VB3_1: -33113,-34917 -32863,-34883
  rectangle net VB3_1: -33017,-35046 -32965,-34897
  rectangle net VB4_1: -33767,-34917 -33517,-34883
  rectangle net VB4_1: -33669,-35046 -33617,-34897
  region net Net5_VOUT_0.2V-3.3V1_3: -31888,-35005 -31934,-35005 -31934,-35414 -31888,-35414
  region net Net5_VOUT_0.2V-3.3V2_3: -32495,-35005 -32541,-35005 -32541,-35423 -32495,-35423
  region net Net4_VOUT_0.2-2V1_3: -33068,-35004 -33114,-35004 -33114,-35405 -33068,-35405
  region net Net4_VOUT_0.2-2V2_3: -33720,-35004 -33766,-35004 -33766,-35418 -33720,-35418
  rectangle net Net2_3: -34404,-35414 -34358,-35005
  rectangle net PBB0.2-2V: -33321,-31432 -33271,-31279
  rectangle net PBT0.2-2V: -33949,-31430 -33899,-31277
  rectangle net NBB0.2-2V: -34574,-31429 -34524,-31278
  rectangle net VCM0.2-2V: -33318,-32415.13 -33268,-32261.13
  rectangle net NBT0.2-2V: -33947,-32417.13 -33897,-32262.13
  rectangle net 1-3V: -34570,-32417.13 -34520,-32262.13
  rectangle net 2V-5V: -34307,-35046 -34255,-34900
  rectangle net VCM0.2-2V: -33417,-32414.13 -33167,-32381.13
  rectangle net NBT0.2-2V: -34052,-32416.13 -33802,-32383.13
  rectangle net 1-3V: -34678.5,-32415.33 -34428.5,-32382.33
  rectangle net PBB0.2-2V: -33424,-31432 -33174,-31398
  rectangle net PBT0.2-2V: -34055,-31433 -33805,-31399
  rectangle net NBB0.2-2V: -34669,-31429 -34419,-31395
  rectangle net VCM1_0.2V-3.3V: -31933,-34917 -31683,-34883
  rectangle net VREF1_0.2V-3.3V: -32536,-34917 -32286,-34883
  rectangle net 2V-5V: -34405,-34917 -34155,-34883
Inner Layer 1:
  text "Silk to solder mask clearance, changed from 10 mil to 3 mil. / Minimum solder mask silver, changed from 10 to 3 mil. / Silk to silk clearance, changed from 10 mil to 3 mil." at -31750,-30385 h60

## Silkscreen, mask and mechanical layers (free items; w line width, h text height)
Top Overlay:
  lines w5: -31116,-34147 -30537,-34147 ; -31116,-34097 -30537,-34097 ; -31116,-34047 -30537,-34047 ; -31116,-33997 -30537,-33997 ; -31116,-33947 -30537,-33947 ; -31116,-33897 -30537,-33897 ; -31116,-33847 -30537,-33847 ; -31116,-33797 -30537,-33797 ; -31116,-33747 -30537,-33747 ; -31116,-33697 -30537,-33697 ; -31116,-33647 -30537,-33647 ; -31116,-33597 -30537,-33597 ; -31116,-33547 -30537,-33547 ; -31116,-33497 -30537,-33497 ; -31116,-33447 -30537,-33447 ; -31116,-33397 -30537,-33397 ; -31116,-33347 -30537,-33347 ; -31116,-33297 -30537,-33297 ; -31116,-33247 -30537,-33247 ; -31116,-33197 -30537,-33197 ; -31116,-33147 -30537,-33147 ; -31116,-33097 -30537,-33097 ; -31116,-33047 -30537,-33047 ; -31116,-32997 -30537,-32997 ; -31116,-32947 -30537,-32947 ; -31116,-32897 -30537,-32897 ; -31116,-32847 -30537,-32847 ; -31116,-32797 -30537,-32797 ; -31116,-32747 -30537,-32747 ; -31116,-32697 -30537,-32697 ; -31116,-32647 -30537,-32647 ; -31116,-32597 -30537,-32597 ; -31116,-32547 -30537,-32547 ; -31116,-32497 -30537,-32497 ; -31116,-32447 -30537,-32447 ; -31116,-32397 -30537,-32397 ; -31116,-32347 -30537,-32347 ; -31116,-32297 -30537,-32297 ; -31116,-32247 -30537,-32247 ; -31116,-32197 -30537,-32197 ; -31027,-34243 -31027,-32050 ; -30977,-34243 -30977,-32050 ; -30927,-34246 -30927,-32050 ; -30877,-34243 -30877,-32050 ; -30827,-34244 -30827,-32050 ; -30777,-34243 -30777,-32050 ; -30727,-34243 -30727,-32050 ; -30677,-34242 -30677,-32050 ; -30626,-34243 -30626,-32050
  text "POWER" at -31665,-30845 h20
  text "GND" at -35416,-30920 h20
  text "POWER" at -31665,-30945 h20
  text "GND" at -31655,-31050 h20
  text "ADC_VIN" at -35416,-31060.67 h20
  text "GND" at -31655,-31154 h20
  text "GND" at -34676,-31227 h20
  text "GND" at -34051,-31227 h20
  text "GND" at -33422,-31227 h20
  text "TIA_VIN" at -35416,-31671.67 h20
  text "GND" at -35416,-31814 h20
  text "FMC" at -31110,-31979 h30
  text "K" at -31060,-32133 h20
  text "J" at -31009.04,-32133 h20
  text "H" at -30958.07,-32133 h20
  text "G" at -30907.11,-32133 h20
  text "F" at -30856.15,-32133 h20
  text "E" at -30805.19,-32133 h20
  text "D" at -30754.22,-32133 h20
  text "C" at -30703.26,-32133 h20
  text "B" at -30652.3,-32133 h20
  text "A" at -30608,-32133 h20
  text "1" at -31106,-32182 h20
  text "GND" at -34671,-32215 h20
  text "GND" at -34047,-32215 h20
  text "GND" at -33422,-32215 h20
  text "2" at -31106,-32230 h20
  text "GND" at -32169,-32231 h20
  text "3" at -31106,-32280 h20
  text "4" at -31106,-32330 h20
  text "GND" at -35416,-32366 h20
  text "VDD" at -32169,-32371 h20
  text "5" at -31106,-32380 h20
  text "6" at -31106,-32430 h20
  text "7" at -31106,-32480 h20
  text "TIA_VIP" at -35416,-32509.67 h20
  text "8" at -31106,-32530 h20
  text "9" at -31106,-32580 h20
  text "10" at -31106,-32630 h20
  text "11" at -31106,-32680 h20
  text "12" at -31106,-32730 h20
  text "13" at -31106,-32780 h20
  text "14" at -31106,-32830 h20
  text "15" at -31106,-32880 h20
  text "16" at -31106,-32930 h20
  text "17" at -31106,-32980 h20
  text "18" at -31106,-33030 h20
  text "GND" at -35416,-33079 h20
  text "19" at -31106,-33080 h20
  text "20" at -31106,-33130 h20
  text "21" at -31106,-33180 h20
  text "22" at -31106,-33230 h20
  text "TIA_VOUT" at -35416,-33233.67 h20
  text "23" at -31106,-33280 h20
  text "24" at -31106,-33330 h20
  text "25" at -31106,-33380 h20
  text "26" at -31106,-33430 h20
  text "27" at -31106,-33480 h20
  text "28" at -31106,-33530 h20
  text "29" at -31106,-33580 h20
  text "30" at -31106,-33630 h20
  text "31" at -31106,-33680 h20
  text "32" at -31106,-33730 h20
  text "33" at -31106,-33780 h20
  text "GND" at -35416,-33788 h20
  text "34" at -31106,-33830 h20
  text "35" at -31106,-33880 h20
  text "36" at -31106,-33930 h20
  text "DAC_TDAC_OUT1" at -35416,-33942.67 h20
  text "37" at -31106,-33980 h20
  text "38" at -31106,-34030 h20
  text "39" at -31106,-34080 h20
  text "40" at -31106,-34130 h20
  text "GND" at -35416,-34478 h20
  text "DAC_TBUFFER_OUT1" at -35416,-34625.67 h20
  text "GND" at -34207,-35122 h20
  text "GND" at -33567,-35122 h20
  text "GND" at -32915,-35122 h20
  text "GND" at -32342,-35122 h20
  text "GND" at -31736,-35122 h20
  text "GND" at -35416,-35187 h20
  text "DAC_VDAC1" at -35416,-35326.67 h20

## Text inside footprints (layer, text, board x,y; h text height)
J1: Mechanical 3 "Board Edge" at -35899.17,-31405.39 h30 r90
J2: Mechanical 3 "Board Edge" at -35899.17,-32100.39 h30 r90
J3: Mechanical 3 "Board Edge" at -35899.17,-32853.39 h30 r90
J4: Mechanical 3 "Board Edge" at -35899.17,-33572.39 h30 r90
J5: Mechanical 3 "Board Edge" at -35899.17,-34282.39 h30 r90
J6: Mechanical 3 "Board Edge" at -35899.17,-35673.39 h30 r90
J7: Mechanical 3 "Board Edge" at -35899.17,-34970.39 h30 r90
U1: Top Overlay "*" at -31701,-31939.5 h30 r90; Mechanical 13 "*" at -31837,-31864.5 h30 r90